# Altium PCB MU_MP_39_V1_ASMB.PcbDoc (part 11 of 15)
Units mm, origin at the board's own origin, x right, y up, seen from the top; angles counter-clockwise.
Board outline 133 x 94 mm, 8 copper layers (Top Layer, GND_1, POWER_1, POWER_2, GND_2, Inner_Layer, GND_3, Bottom Layer), stack 1.468 mm thick; 934 components, 729 nets, 4006 pads, 2645 vias.
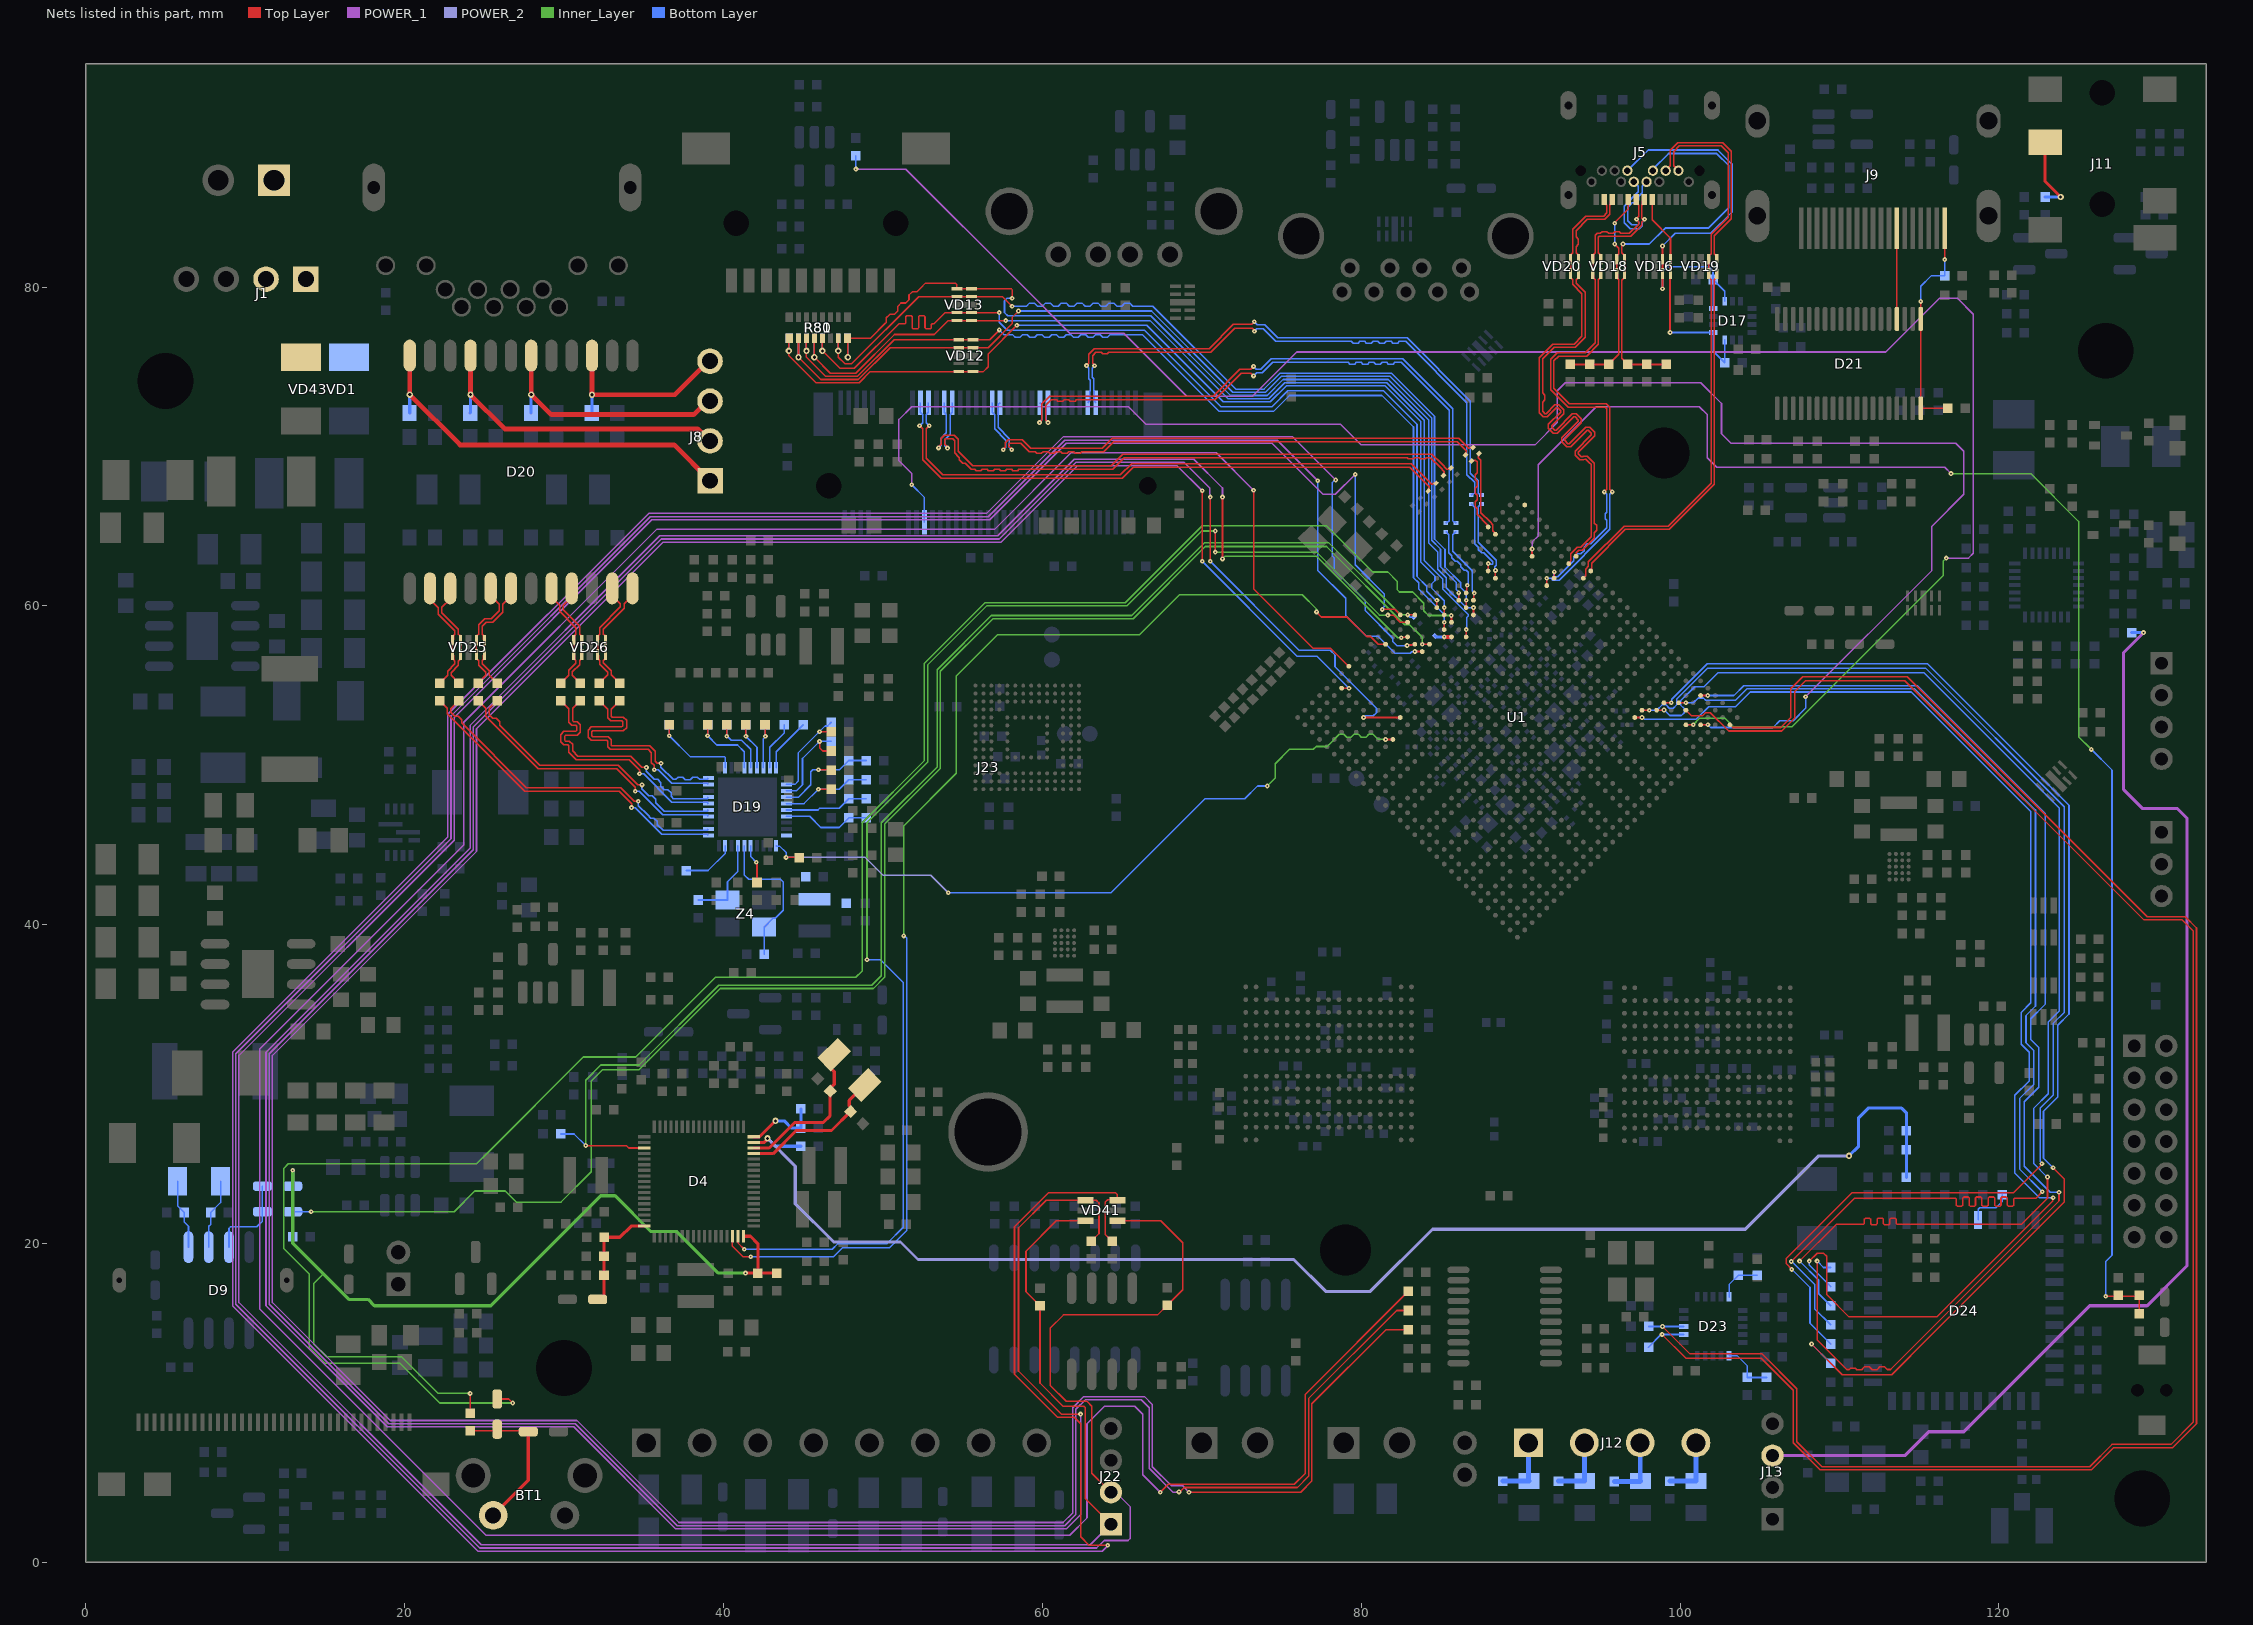
[diagram p17: the nets of this part, all layers, seen from the top]

## Via types
v1: diameter 0.3, hole 0.1, Top Layer to Bottom Layer, tented both sides, 1670 vias
v2: diameter 0.4, hole 0.2, Top Layer to Bottom Layer, tented both sides, 843 vias
v3: diameter 0.6, hole 0.3, Top Layer to Bottom Layer, tented both sides, 132 vias

## Nets (pads, with @x,y where several pads share a name; then routed paths per layer and width w, separated by ;. In a path a pad name is that pad's centre, name@x,y a point inside that pad or via, vN(x,y) a via of type N, cw(c..) or ccw(c..) an arc to the next point about the centre after c; other vN are vias at no path point) (continued)
PCIE_TX1_N: C435.1 U1.AG31 | length 5.1
  Top Layer w0.08: C435.1@86.919,69.081 87.04,69.081 87.103,69.143 87.169,69.143 87.27,69.042 87.27,68.4 87.27,68.36 87.144,68.234 87.144,67.934 87.27,67.808 87.27,67.508 87.144,67.382 87.144,67.082 87.27,66.956 87.27,66.656 87.144,66.53 87.144,66.23 87.27,66.104 87.27,65.925 87.27,65.755 87.919,65.105 87.919,64.992 U1.AG31@87.962,64.95
PCIE_TX1_P: C434.1 U1.AG30 | length 5.5
  Top Layer w0.08: C434.1@87.394,69.556 87.394,69.435 87.332,69.372 87.332,69.306 87.5,69.138 87.5,65.85 88.082,65.268 88.266,65.084 88.266,64.705 88.421,64.55 U1.AG30@88.421,64.49
PCIE_TX2_N: C437.1 U1.AA28 | length 4.7
  Top Layer w0.08: U1.AA28@86.583,60.814 86.616,60.847 86.616,61.266 v1(86.65,61.3)
  Bottom Layer w0.08: C437.1@85.3,64.65 85.325,64.65 85.5,64.475 85.5,63.325 85.65,63.175 85.678,63.147 85.678,63.006 85.89,62.794 86.031,62.794 86.243,62.582 86.243,62.442 86.455,62.23 86.595,62.23 86.638,62.188 86.725,62.1 86.725,61.435 86.65,61.36 v1(86.65,61.3)
PCIE_TX2_P: C436.1 U1.AA27 | length 5
  Top Layer w0.08: U1.AA27@87.042,60.354 87.07,60.382 87.07,60.774 v1(87.098,60.802)
  Bottom Layer w0.08: C436.1@85.95,64.65 85.925,64.65 85.75,64.475 85.75,63.425 86.975,62.2 86.975,60.959 87.098,60.836 v1(87.098,60.802)
PCIE_TX3_N: C439.1 U1.AD28 | length 5.2
  Top Layer w0.08: U1.AD28@87.962,62.193 v1(87.963,62.652)
  Bottom Layer w0.08: C439.1@86.9,66.4 86.985,66.315 87.01,66.315 87.125,66.2 87.125,63.9 87.325,63.7 87.353,63.672 87.353,63.536 87.565,63.324 87.701,63.324 87.825,63.2 88.253,62.772 88.253,62.66 88.206,62.613 88.002,62.613 v1(87.963,62.652)
PCIE_TX3_P: C438.1 U1.AD27 | length 5.3
  Top Layer w0.08: U1.AD27@88.421,61.733 88.423,61.735 88.423,62.223 v1(88.425,62.225)
  Bottom Layer w0.08: C438.1@87.55,66.4 87.465,66.315 87.44,66.315 87.355,66.23 87.355,63.995 88.483,62.867 88.483,62.565 88.369,62.45 88.369,62.384 88.383,62.37 88.383,62.267 v1(88.425,62.225)
PCIE_WAKE: J23.54 U1.AH3 | length 108.3
  Top Layer w0.1: U1.AH3@101.29,52.54 v1@101.749,52.54
  POWER_1 w0.1: v1(51.8,67.6) 51.8,68.3 51,69.1 51,71.7 51.8,72.5 65.4,72.5 66.5,71.4 78.7,71.4 80,70.1 90.9,70.1 92.3,71.5 92.3,73.5 92.8,74 101.3,74 102.6,72.7 102.6,70.8 103.2,70.2 117.3,70.2 117.8,69.7 117.8,67 115.8,65 115.8,62.225 v1(107.875,54.3)
  Bottom Layer w0.1: v1(51.8,67.6) 52.6,66.8 J23.54@52.6,65.25 ; v1(101.75,52.542) 101.917,52.375 105.825,52.375 106.25,52.8 107.1,52.8 107.875,53.575 v1(107.875,54.3)
PE_CLK_N: C431.2 J23.53 | length 36.9
  Top Layer w0.08: v1(52.9,71.3) 52.715,71.115 52.715,69.26 53.75,68.225 64.9,68.225 65.6,68.925 83.138,68.925 84.431,67.632 84.497,67.632 84.56,67.694 C431.2@84.681,67.694
  Bottom Layer w0.08: J23.53@52.85,72.75 52.85,72.138 52.715,72.003 52.715,71.485 v1(52.9,71.3)
PE_CLK_P: C430.2 J23.55 | length 37.1
  Top Layer w0.08: v1(52.3,71.3) 52.485,71.115 52.485,69.165 53.655,67.995 64.995,67.995 65.695,68.695 83.042,68.695 84.268,67.469 84.268,67.403 84.206,67.34 C430.2@84.206,67.219
  Bottom Layer w0.08: v1(52.3,71.3) 52.485,71.485 52.485,72.003 52.35,72.138 J23.55@52.35,72.75
PE_T0_N: C433.2 J23.47 | length 37.8
  Top Layer w0.08: v1(54.05,69.9) 54.05,69.96 53.88,70.13 53.88,70.428 53.927,70.475 54.375,70.475 54.5,70.35 54.5,69.6 54.762,69.337 54.791,69.309 54.791,69.153 55.003,68.941 55.159,68.941 55.375,68.725 55.525,68.575 55.725,68.575 55.765,68.575 55.848,68.492 56.148,68.492 56.232,68.575 56.532,68.575 56.615,68.492 56.915,68.492 56.998,68.575 57.298,68.575 57.382,68.492 57.682,68.492 57.765,68.575 58.065,68.575 58.148,68.492 58.448,68.492 58.532,68.575 58.675,68.575 64.425,68.575 65.145,69.295 82.85,69.295 82.89,69.295 82.965,69.22 83.265,69.22 83.341,69.295 83.641,69.295 83.716,69.22 84.016,69.22 84.091,69.295 84.2,69.295 84.342,69.295 84.954,68.684 85.218,68.419 85.218,68.353 85.156,68.29 C433.2@85.156,68.169
  Bottom Layer w0.08: v1(54.05,69.9) 54.007,69.9 53.87,70.036 53.87,70.42 54.215,70.765 54.215,72.003 54.35,72.138 J23.47@54.35,72.75
PE_T0_P: C432.2 J23.49 | length 37.8
  Top Layer w0.08: v1(53.489,69.911) 53.489,69.971 53.65,70.132 53.65,70.523 53.832,70.705 54.47,70.705 54.73,70.446 54.73,69.695 55.62,68.805 64.33,68.805 65.05,69.525 84.438,69.525 85.049,68.914 85.381,68.582 85.447,68.582 85.51,68.644 C432.2@85.631,68.644
  Bottom Layer w0.08: v1(53.489,69.911) 53.489,69.926 53.64,70.078 53.64,70.516 53.985,70.86 53.985,72.003 53.85,72.138 J23.49@53.85,72.75
PE_T1_N: C435.2 J23.35 | length 33.8
  Top Layer w0.08: v1(58.075,69.8) 58.075,69.86 57.905,70.03 57.905,70.153 57.952,70.2 58.65,70.2 59.18,69.67 59.5,69.67 59.54,69.67 59.643,69.567 59.943,69.567 60.047,69.67 60.347,69.67 60.45,69.567 60.75,69.567 60.854,69.67 61.154,69.67 61.257,69.567 61.557,69.567 61.661,69.67 61.961,69.67 62.064,69.567 62.364,69.567 62.468,69.67 62.7,69.67 63.845,69.67 64.47,70.295 86.017,70.295 86.593,69.719 86.593,69.653 86.531,69.59 C435.2@86.531,69.469
  Bottom Layer w0.08: J23.35@57.35,72.75 57.24,72.64 57.24,71.994 57.227,71.981 57.227,71.198 57.927,70.498 57.927,69.957 58.075,69.809 v1(58.075,69.8)
PE_T1_P: C434.2 J23.37 | length 34
  Top Layer w0.08: v1(57.55,69.8) 57.55,69.832 57.675,69.957 57.675,70.248 57.857,70.43 58.745,70.43 59.275,69.9 63.75,69.9 64.375,70.525 86.113,70.525 86.756,69.882 86.822,69.882 86.885,69.944 C434.2@87.006,69.944
  Bottom Layer w0.08: J23.37@56.85,72.75 56.85,72.138 56.997,71.991 56.997,71.103 57.697,70.403 57.697,69.957 57.55,69.809 v1(57.55,69.8)
PE_T2_N: C437.2 J23.23 | length 38
  Top Layer w0.08: v1(60.35,71.5) 60.35,71.509 60.203,71.657 60.203,72.578 60.55,72.925 60.85,72.925 60.89,72.925 60.977,72.838 61.277,72.838 61.364,72.925 61.664,72.925 61.751,72.838 62.051,72.838 62.138,72.925 62.7,72.925 70.803,72.925 72.478,74.6 73.081,74.6 73.25,74.431 v1(73.25,74.425)
  Bottom Layer w0.08: v1(60.35,71.5) 60.35,71.56 60.25,71.66 60.25,72.65 J23.23@60.35,72.75 ; v1(73.25,74.425) 73.445,74.62 73.795,74.62 74.445,75.27 78.029,75.27 79.15,75.27 79.19,75.27 79.293,75.167 79.593,75.167 79.696,75.27 79.996,75.27 80.098,75.167 80.398,75.167 80.501,75.27 80.801,75.27 80.904,75.167 81.204,75.167 81.307,75.27 81.607,75.27 81.709,75.167 82.009,75.167 82.112,75.27 82.325,75.27 82.505,75.27 85.51,72.265 85.51,65.332 85.463,65.285 85.385,65.285 C437.2@85.3,65.2
PE_T2_P: C436.2 J23.25 | length 38.3
  Top Layer w0.08: v1(59.825,71.5) 59.825,71.509 59.973,71.657 59.973,72.673 60.455,73.155 70.708,73.155 72.383,74.83 73.061,74.83 73.25,75.019 v1(73.25,75.025)
  Bottom Layer w0.08: v1(59.825,71.5) 59.825,71.56 59.95,71.685 59.95,72.65 J23.25@59.85,72.75 ; v1(73.25,75.025) 73.425,74.85 73.7,74.85 74.35,75.5 77.934,75.5 82.6,75.5 85.74,72.36 85.74,65.332 85.787,65.285 85.865,65.285 C436.2@85.95,65.2
PE_T3_N: C439.2 J23.11 | length 36
  Top Layer w0.08: v1(63.275,75.06) 63.275,75.092 63.15,75.217 63.15,75.7 63.35,75.9 63.65,75.9 63.69,75.9 63.78,75.81 64.08,75.81 64.171,75.9 64.525,75.9 70.55,75.9 72.075,77.425 72.6,77.425 73.152,77.425 73.3,77.277 v1(73.3,77.225)
  Bottom Layer w0.08: v1(63.275,75.06) 63.275,75.037 63.141,74.903 63.141,74.334 63.23,74.245 63.23,73.519 63.24,73.509 63.24,72.86 J23.11@63.35,72.75 ; v1(73.3,77.225) 73.3,77.236 73.459,77.395 73.855,77.395 74.655,76.595 79.35,76.595 79.39,76.595 79.504,76.481 79.804,76.481 79.918,76.595 80.218,76.595 80.331,76.481 80.631,76.481 80.745,76.595 81.045,76.595 81.159,76.481 81.459,76.481 81.573,76.595 81.873,76.595 81.987,76.481 82.287,76.481 82.401,76.595 82.55,76.595 82.78,76.595 86.625,72.75 86.625,68.235 87.11,67.75 87.11,67.235 87.11,67.082 87.063,67.035 86.985,67.035 C439.2@86.9,66.95
PE_T3_P: C438.2 J23.13 | length 36.3
  Top Layer w0.08: v1(62.775,75.075) 62.775,75.087 62.92,75.232 62.92,75.795 63.255,76.13 70.455,76.13 71.98,77.655 72.696,77.655 73.148,77.655 73.297,77.803 v1(73.297,77.822)
  Bottom Layer w0.08: v1(62.775,75.075) 62.775,75.054 62.911,74.918 62.911,74.238 63,74.15 63,73.512 62.96,73.472 62.96,72.86 J23.13@62.85,72.75 ; v1(73.297,77.822) 73.297,77.816 73.488,77.625 73.95,77.625 74.75,76.825 82.875,76.825 86.855,72.845 86.855,68.33 87.34,67.845 87.34,67.33 87.34,67.082 87.387,67.035 87.465,67.035 C438.2@87.55,66.95
PHY_CLKOUT: D19.35 R131.2 | length 2.5
  Top Layer w0.1: v1(42.05,43.925) 42.05,43.871 42.1,43.821 R131.2@42.1,42.65
  Bottom Layer w0.1: D19.35@41.7,44.95 41.7,44.275 v1(42.05,43.925)
PHY_INT: D19.31 R159.1 U1.F23 | length 46
  Top Layer w0.1: v1(43.925,44.225) 44.725,44.225 R159.1@44.75,44.2
  Top Layer w0.11: v1(81.53,51.62) v1(81.53,51.62) U1.F23@81.986,51.621
  Inner_Layer w0.1: v1(74.1,48.7) 74.6,49.2 74.6,50.1 75.5,51 77,51 77.18,51.18 77.865,51.18 78.628,51.944 78.905,51.944 79.088,51.761 79.365,51.761 79.547,51.944 79.824,51.944 80.007,51.761 80.295,51.761 80.477,51.944 80.743,51.944 81.065,51.623 81.527,51.623 v1(81.53,51.62)
  POWER_2 w0.1: v1(43.925,44.225) 48.875,44.225 50,43.1 53,43.1 v1(54.1,42)
  Bottom Layer w0.1: D19.31@43.3,44.95 43.316,44.934 43.516,44.934 43.925,44.525 v1(43.925,44.225) ; v1(54.1,42) 64.3,42 70.2,47.9 72.7,47.9 73.5,48.7 v1(74.1,48.7)
PHY_RST: C341.1 D19.12 R136.1 | length 6.1
  Top Layer w0.1: v1(36.6,51.85) R136.1@36.6,52.55
  Bottom Layer w0.1: C341.1@36.6,52.55 v1(36.6,51.85) 37.9,50.55 40.041,50.55 40.1,50.491 D19.12@40.1,49.85
PHY_RXCLK: D19.27 R135.1 R168.2 | length 5.5
  Bottom Layer w0.1: D19.27@43.95,46.8 45.4,46.8 46.1,46.1 47.25,46.1 R168.2@47.85,46.7 R135.1@48.95,46.7
PHY_RXD0: D19.25 R126.1 R164.2 R165.1 | length 6.4
  Top Layer w0.1: v1(45.95,48.5) R165.1@46.75,48.5
  Bottom Layer w0.1: D19.25@43.95,47.6 45.05,47.6 v1(45.95,48.5) 47.25,48.5 R164.2@47.85,49.1 R126.1@48.95,49.1
PHY_RXD1: D19.24 R127.1 R162.2 R163.1 | length 7.2
  Top Layer w0.1: v1(45.95,49.725) 46.725,49.725 R163.1@46.75,49.7
  Bottom Layer w0.1: D19.24@43.95,48 44.7,48 45.475,48.775 45.475,49.6 45.6,49.725 v1(45.95,49.725) 47.275,49.725 R162.2@47.85,50.3 R127.1@48.95,50.3
PHY_RXD2: D19.23 R122.1 R161.1 | length 6.3
  Top Layer w0.1: v1(46.025,51.5) 46.025,51.1 46.225,50.9 R161.1@46.75,50.9
  Bottom Layer w0.1: D19.23@43.95,48.4 44.575,48.4 44.95,48.775 44.95,50.425 v1(46.025,51.5) R122.1@46.75,51.5
PHY_RXD3: D19.22 R123.1 R160.1 | length 6.2
  Top Layer w0.1: v1(46.025,52.1) R160.1@46.75,52.1
  Bottom Layer w0.1: D19.22@43.95,48.8 44.475,48.8 44.675,49 44.675,50.775 46.025,52.125 46.369,52.469 46.519,52.469 R123.1@46.75,52.7
PHY_RXDV: D19.26 R129.1 R167.2 | length 5.3
  Bottom Layer w0.1: D19.26@43.95,47.2 45.925,47.2 46.025,47.3 47.25,47.3 R167.2@47.85,47.9 R129.1@48.95,47.9
PHY_TXCLK: D19.20 R141.1 | length 3.4
  Bottom Layer w0.1: D19.20@43.3,49.85 43.3,50.85 R141.1@45,52.55
PHY_TXD0: D19.18 R124.1 R151.1 | length 3.5
  Top Layer w0.1: R124.1@42.6,52.55 42.625,52.525 v1(42.625,51.825)
  Bottom Layer w0.1: D19.18@42.5,49.85 42.5,51.666 42.625,51.791 v1(42.625,51.825) 42.625,52.525 R151.1@42.6,52.55
PHY_TXD1: D19.17 R125.1 R154.1 | length 3.7
  Top Layer w0.1: v1(41.4,51.825) R125.1@41.4,52.55
  Bottom Layer w0.1: R154.1@41.4,52.55 v1(41.4,51.825) 42.1,51.125 D19.17@42.1,49.85
PHY_TXD2: D19.16 R120.1 R156.1 | length 4.4
  Top Layer w0.1: v1(40.2,51.825) R120.1@40.2,52.55
  Bottom Layer w0.1: R156.1@40.2,52.55 v1(40.2,51.825) 40.225,51.825 40.475,51.575 41.125,51.575 41.7,51 D19.16@41.7,49.85
PHY_TXD3: D19.15 R121.1 R157.1 | length 5.1
  Top Layer w0.1: v1(39,51.85) R121.1@39,52.55
  Bottom Layer w0.1: R157.1@39,52.55 v1(39,51.85) 39.575,51.275 40.875,51.275 41.3,50.85 D19.15@41.3,49.85
PHY_TXEN: D19.19 R133.1 | length 3.1
  Bottom Layer w0.1: D19.19@42.9,49.85 42.9,51.125 43.8,52.025 R133.1@43.8,52.55
PHY_XTALIN: C339.1 D19.36 Z4.1 | length 9.6
  Bottom Layer w0.1: D19.36@41.3,44.95 41.3,43.125 41.575,42.85 43.575,42.85 43.75,42.675 43.75,40.9 43.25,40.4 43.1,40.4 Z4.1@42.55,39.85 C339.1@42.55,38.15
PHY_XTALOUT: C340.1 D19.37 Z4.3 | length 5.5
  Bottom Layer w0.1: C340.1@38.4,41.55 Z4.3@40.25,41.55 40.25,42.7 40.9,43.35 D19.37@40.9,44.95
PMIC_INT_L: D4.49 U1.M30 | length 79.2
  Top Layer w0.1: D4.49@40.557,20.46 40.557,19.826 41.213,19.17 v1(41.707,19.17)
  Top Layer w0.11: v1(77.2,59.625) 77.2,59.606 77.506,59.299 79.132,59.299 80.351,58.08 80.359,58.08 80.366,58.073 80.587,58.073 81.063,57.596 81.367,57.596 U1.M30@81.527,57.596
  Inner_Layer w0.1: v1(51.3,39.3) 51.3,46.2 54.6,49.5 54.6,55.6 57.2,58.2 66.1,58.2 68.6,60.7 76.3,60.7 77.198,59.802 77.198,59.627 v1(77.2,59.625)
  Bottom Layer w0.1: v1(41.707,19.17) 46.895,19.17 47.45,19.725 50.4,19.725 51.5,20.825 51.5,39.159 51.441,39.217 51.437,39.217 51.354,39.3 v1(51.3,39.3)
PMIC_SLEEP_H: D4.50 U1.R30 | length 86.5
  Top Layer w0.1: D4.50@40.907,20.46 40.907,20.042 v1(41.304,19.645) ; v1(70.85,63.375) v1(70.85,64.7) ; v1(81.675,59.425) 81.676,59.426 82.002,59.426 82.453,58.975 U1.R30@82.906,58.975
  Inner_Layer w0.1: v1(49,37.8) 49,46.4 52.8,50.2 52.8,56.3 56.5,60 65.3,60 70,64.7 v1(70.85,64.7) ; v1(70.85,63.375) 77.2,63.375 81.15,59.425 v1(81.675,59.425)
  Bottom Layer w0.1: v1(41.304,19.645) 46.82,19.645 47.175,20 50.25,20 51.275,21.025 51.275,36.375 49.85,37.8 v1(49,37.8)
PoE_A: D20.24 J8.1 R139.1 | length 24.7
  Top Layer w0.3: D20.24@20.315,75.703 v2(20.315,73.255) 23.47,70.1 36.9,70.1 J8.1@39.15,67.85
  Bottom Layer w0.2: R139.1@20.3,72.1 20.315,72.115 v2(20.315,73.255)
PoE_B: D20.21 J8.2 R144.1 | length 19.8
  Top Layer w0.3: D20.21@24.125,75.703 v2(24.125,73.255) 26.28,71.1 38.381,71.1 39.131,70.35 J8.2@39.15,70.35
  Bottom Layer w0.2: R144.1@24.1,72.1 24.125,72.125 v2(24.125,73.255)
PoE_C: D20.18 J8.3 R148.1 | length 15.7
  Top Layer w0.3: D20.18@27.935,75.703 v2(27.935,73.255) 29.19,72 38.124,72 38.974,72.85 J8.3@39.15,72.85
  Bottom Layer w0.2: R148.1@27.925,72.1 27.925,73.245 v2(27.935,73.255)
PoE_D: D20.15 J8.4 R153.1 | length 11.9
  Top Layer w0.3: D20.15@31.745,75.703 31.75,75.697 v2(31.75,73.25) ; v2@31.777,73.25 36.95,73.25 39.05,75.35 J8.4@39.15,75.35
  Bottom Layer w0.2: R153.1@31.725,72.1 31.75,72.125 v2(31.75,73.25)
PORT_CEC: D21.23 J9.13 | length 5.7
  Top Layer w0.1: D21.23@113.6,78 J9.13@113.6,83.7
PORT_HPD: D21.19 D21.20 J9.19 R180.2 R186.2 | length 14.1
  Top Layer w0.1: v1(115.1,79.1) D21.20@115.1,78 D21.19@115.1,72.4 R180.2@116.8,72.4 ; v1(116.6,81.725) J9.19@116.6,83.7
  Bottom Layer w0.1: v1(115.1,79.1) 115.1,80.05 115.75,80.7 R186.2@116.6,80.7 v1(116.6,81.725)
POWER_ON: C79.2 D4.51 R26.1 R30.1 VD11.1 | length 62.3
  Top Layer w0.1: R30.1@24.1,9.35 v1(24.1,10.6)
  Top Layer w0.2: D4.51@41.257,20.46 41.692,20.46 42.157,19.995 C79.2@42.157,18.15 ; v1(41.375,18.15) C79.2@42.15,18.15 C79.2@42.157,18.15 ; C79.2@42.157,18.145 C79.2@42.157,18.15 ; R26.1@43.35,18.15 C79.2@42.157,18.15
  Inner_Layer w0.1: 14.9,18.1 14.3,17.5 14.3,13.7 15.1,12.9 19.8,12.9 22.1,10.6 v1@24.08,10.6
  Inner_Layer w0.2: v1(12.975,24.6) 12.975,20.025 14.9,18.1 16.5,16.5 17.7,16.5 18.1,16.1 25.4,16.1 32.3,23 33.2,23 35.45,20.75 37.075,20.75 39.675,18.15 v1(41.375,18.15)
  Bottom Layer w0.2: VD11.1@12.975,23.6 v1(12.975,24.6)
PWR_EN: C80.1 C81.1 D4.34 R27.2 VD5.1 | length 7.1
  Top Layer w0.2: VD5.1@32.1,16.5 32.306,16.5 32.5,16.694 C80.1@32.5,18 32.507,18.007 C81.1@32.507,20.395 ; C81.1@32.407,20.395 C81.1@32.507,20.395 ; D4.34@35.022,21.095 34.197,21.095 33.497,20.395 C81.1@32.507,20.395
PWR_IN: J1.1 J1.2 J2.1 VD1.1 VD43.1
PWR_KEY_L: U1.V27 VD6.1 | length 129.9
  Top Layer w0.1: VD6.1@25.8,10.25 26.53,10.25 v1(26.78,10) ; U1.V27@85.663,58.975 v1@85.663,59.389
  Inner_Layer w0.1: v1(26.78,10) 22.2,10 19.7,12.5 15,12.5 14,13.5 14,18.1 12.4,19.7 12.4,24.7 12.7,25 24.5,25 25.2,25.7 31.2,31.7 34.5,31.7 39.5,36.7 48.3,36.7 48.7,37.1 48.7,46.4 52.6,50.3 52.6,56.4 56.4,60.2 65.2,60.2 70.025,65.025 77.825,65.025 80.725,62.125 81.675,62.125 82.25,61.55 82.25,61.025 82.4,60.875 83.225,60.875 83.925,60.175 83.925,59.7 84.225,59.4 v1(85.652,59.4) 85.2,59.4
PWR_ON: BT1.1 R30.2 VD6.2 VD7.2 | length 9.8
  Top Layer w0.1: R30.2@24.1,8.25 27.7,8.25 VD7.2@27.75,8.2
  Top Layer w0.2: BT1.1@25.55,2.95 27.75,5.15 VD7.2@27.75,8.2
RECOVER: C411.2 R224.1 R225.1 U1.AH26 | length 98.8
  Top Layer w0.1: v1(126.7,16.7) 127.45,16.7 R224.1@127.5,16.75 127.55,16.7 128.75,16.7 C411.2@128.8,16.75 R225.1@128.8,15.6
  Top Layer w0.11: U1.AH26@90.719,63.112 v1(90.72,63.571) v1(90.72,63.571)
  POWER_1 w0.1: v1(90.72,63.571) 90.72,64.004 91.1,64.384 91.1,68.863 94.737,72.5 101.2,72.5 101.7,72 101.7,69.3 102.3,68.7 116.6,68.7 v1(117,68.3)
  Inner_Layer w0.1: v1(117,68.3) 122,68.3 125,65.3 125,51.8 v1(125.8,51)
  Bottom Layer w0.1: v1(125.8,51) 127.1,49.7 127.1,19.275 126.7,18.875 v1(126.7,16.7)
REG_OUT: C330.1 D19.30 L12.2 R119.1
RESET_L: C309.2 D4.20 R25.1 U1.T30 | length 87.2
  Top Layer w0.1: v1(31.35,26.15) 31.375,26.125 33.925,26.125 34.055,25.995 34.678,25.995 D4.20@35.022,25.995 ; v1(82.923,59.435) U1.T30@83.365,59.435
  Inner_Layer w0.1: v1(31.35,26.15) 31.35,30.25 32.3,31.2 34.7,31.2 39.7,36.2 49.3,36.2 49.9,36.8 49.9,46.4 53.4,49.9 53.4,56 56.8,59.4 65.6,59.4 70.15,63.95 77.975,63.95 82.475,59.45 82.908,59.45 v1(82.923,59.435)
  Bottom Layer w0.1: R25.1@29.775,26.875 30.625,26.875 v1(31.35,26.15)
  Bottom Layer w0.11: v1(82.923,59.435) 83.068,59.291 C309.2@83.306,59.291
RIN2: C385.2 J13.3 | length 74.8
  POWER_1 w0.2: J13.3@105.8,6.7 114.1,6.7 115.6,8.2 117.8,8.2 125.7,16.1 129.3,16.1 131.8,18.6 131.8,46.675 131.175,47.3 129,47.3 127.825,48.475 127.825,57.075 v1(129.075,58.325)
  Bottom Layer w0.2: C385.2@128.325,58.325 v1(129.075,58.325)
RK8_OSC32_IN: C74.2 D4.65 Z1.1 | length 9.3
  Top Layer w0.2: D4.65@41.892,25.645 43.107,25.645 44.557,27.095 46.77,27.095 47.968,28.293 47.968,28.567 47.888,28.647 47.888,28.978 Z1.1@48.854,29.945
RK8_OSC32_OUT: C75.2 D4.66 Z1.2 | length 9.7
  Top Layer w0.2: D4.66@41.892,25.995 42.857,25.995 44.457,27.595 46.257,27.595 46.687,28.025 C75.2@46.687,29.565 46.687,29.731 46.945,29.989 46.945,30.777 46.76,30.962 46.76,31.669 Z1.2@46.945,31.854
ROUT: J11.6 R195.1 | length 4.8
  Top Layer w0.2: J11.6@122.9,89.1 122.9,86.625 v2(123.875,85.65)
  Bottom Layer w0.2: R195.1@122.9,85.65 v2(123.875,85.65)
RSET: D19.39 R128.1 | length 3.4
  Bottom Layer w0.1: R128.1@37.65,43.4 39.025,43.4 40.1,44.475 D19.39@40.1,44.95
RTC_CLKO_SOC: D4.68 R22.2 R104.2 | length 4.8
  Top Layer w0.2: D4.68@41.892,26.695 42.257,26.695 v2(43.257,27.695)
  Bottom Layer w0.2: v2(43.257,27.695) 43.805,27.695 44.25,27.25 R22.2@44.85,27.25 R104.2@44.85,28.45
RTC_CLKO_WIFI: C419.2 D4.67 R23.2 R236.1 R256.2 | length 90
  Top Layer w0.2: D4.67@41.892,26.345 42.547,26.345 v2@42.757,26.555
  POWER_2 w0.2: v2(42.757,26.595) 44.5,24.852 44.5,22.5 46.9,20.1 51.1,20.1 52.2,19 75.775,19 77.775,17 80.575,17 84.475,20.9 104.1,20.9 108.7,25.5 v2(110.6,25.5)
  Bottom Layer w0.2: v2(42.757,26.595) 43.252,26.1 R23.2@44.85,26.1 ; v2(110.6,25.5) 111.2,26.1 111.2,27.9 111.8,28.5 113.9,28.5 114.2,28.2 R256.2@114.2,27.075 C419.2@114.2,25.875 114.2,25 R236.1@114.2,24.15
RTC_INT: R51.1 U1.R27 VD10.1 | length 106.1
  Top Layer w0.11: v1(83.827,57.597) U1.R27@84.285,57.596
  Inner_Layer w0.1: v1(14.125,22) 23.1,22 24.4,23.3 26.3,23.3 27,22.6 29.8,22.6 31.7,24.5 31.7,30.2 32.4,30.9 34.7,30.9 39.8,36 49.4,36 50.1,36.7 50.1,46.3 53.6,49.8 53.6,55.9 56.9,59.2 65.7,59.2 70.225,63.725 77.825,63.725 82.729,58.821 83.035,58.821 83.827,58.028 v1(83.827,57.597)
  Bottom Layer w0.1: R51.1@12.975,20.425 VD10.1@12.975,22 v1(14.125,22)
RTC_INT_L: D9.3 VD10.2 VD11.2 | length 5.7
  Bottom Layer w0.1: D9.3@8.975,19.775 8.975,20.95 9.075,21.05 10.725,21.05 11.075,21.4 VD10.2@11.075,22 VD11.2@11.075,23.6
RTC_OSC32_IN: C115.1 D9.1 Z2.1 | length 4.4
  Bottom Layer w0.1: Z2.1@5.75,23.9 5.75,22.375 C115.1@6.175,21.95 6.175,21.35 6.435,21.09 D9.1@6.435,19.775
RTC_OSC32_OUT: C116.1 D9.2 Z2.2 | length 4.4
  Bottom Layer w0.1: D9.2@7.705,19.775 7.705,21.08 7.825,21.2 C116.1@7.825,21.95 8.45,22.575 Z2.2@8.45,23.9
SDIO0_CLK: R238.1 U1.AF7 | length 79
  Top Layer w0.1: v1(107.5,18.9) 109.8,21.2 111.45,21.2 111.5,21.2 111.56,21.26 111.56,21.519 111.62,21.579 111.9,21.579 111.96,21.519 111.96,21.239 112.02,21.179 112.3,21.179 112.36,21.239 112.36,21.519 112.42,21.579 112.7,21.579 112.76,21.519 112.76,21.239 112.82,21.179 113.1,21.179 113.16,21.239 113.16,21.519 113.22,21.579 113.5,21.579 113.56,21.519 113.56,21.26 113.62,21.2 113.8,21.2 121.4,21.2 123.05,22.85 v1(123.05,24.175)
  Top Layer w0.11: U1.AF7@98.533,53.46 98.983,53.46 v1(98.992,53.469)